# KiCad board amix 68k (r0).kicad_pcb (continued)
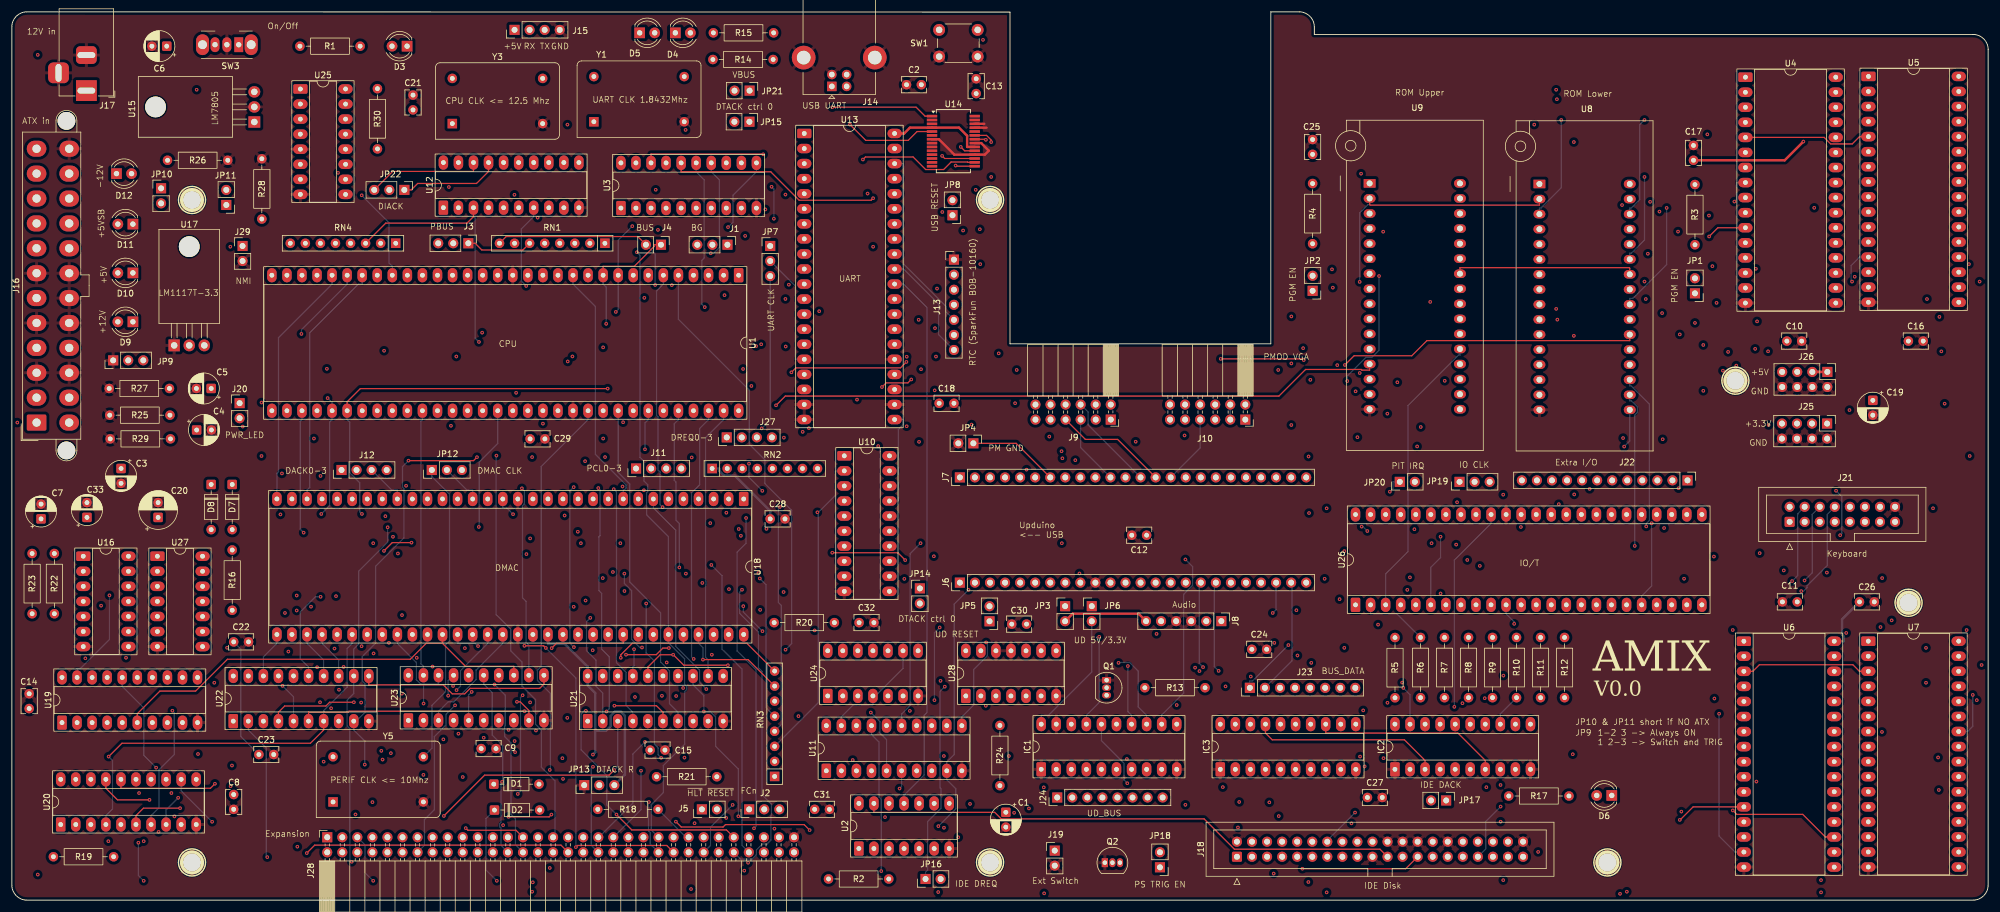
[diagram p0: board, top side]
## Routing (per net, layer and track width the routed paths; a pad name or vN(x,y) marks a point on that pad's centre or on a via; arc(x,y) is an arc through that point) (continued)
D15: length 646.7
  In1.Cu w0.2: U7.21 326.9,15.75 326.9,44.15 328.63,45.88 329.42,45.88 ; v1(228.2,22.56) 230.96,25.32 230.96,41.94 233.32,44.3 231.74,45.88 U26.3 ; U5.21 329.92,111.03 329.92,107.95 329.52,107.55 329.52,107.06 329.92,106.66 329.92,75.44 329.42,74.94 329.42,45.88 ; J18.3 207.83,8.69 207.83,19.13 206.39,20.57 IC3.2 ; v1(123.35,89.61) 123.73,89.99 123.73,112.03 v1(123.7,112.07) ; 329.42,45.88 v1(329.74,45.57) ; J28.29 90.42,12.27 90.42,21.64 v1(90.74,21.97)
  In2.Cu w0.2: v1(329.74,45.57) 327.5,47.8 316.85,47.8 316.57,47.52 232.53,47.52 231.74,48.32 U26.3 ; U1.54 97.2,84.07 102.74,89.61 v1(123.35,89.61) ; v1(228.2,22.56) 228.2,21.57 227.2,20.57 206.39,20.57 IC3.2 206.39,23.57 205.02,24.94 144.22,24.94 142.63,26.54 133.5,26.54 130.44,29.6 122.31,29.6 121.41,28.7 117.45,28.7 ; U13.8 132.17,111.56 131.66,112.07 v1(123.7,112.07) ; 117.45,28.7 116.05,27.3 106.11,27.3 100.7,21.89 90.81,21.89 v1(90.74,21.97) 31.19,21.97 31.1,21.88 U20.11 ; 117.45,28.7 U21.9
  Bottom w0.2: U1.54 97.2,81.07 89.29,73.16 89.29,39.44 88.65,38.8 88.65,37.08 90.85,34.87 90.85,22.08 v1(90.74,21.97) ; U9.21 244.28,92.72 ; 244.28,92.47 244.28,91.96 244.02,91.96 235.51,83.44 235.51,58.81 231.74,55.05 U26.3 ; 244.28,92.47 244.28,92.72 ; 244.28,92.47 244.28,92.72
DMAC_A8/D0: length 84.9
  In2.Cu w0.2: U23.3 70.07,28.42 23.2,28.42 22.6,29.02 22.6,30.54 21.69,31.45 11,31.45 U19.2
  Bottom w0.2: U23.3 71.97,31.82 73.61,33.46 74.55,33.46 78.32,37.23 78.32,38.83 82.81,43.32 U18.48
DMAC_A9/D1: length 82.4
  In1.Cu w0.2: v1(75.01,35.43) 75.01,33.96 74.16,33.11 74.16,32.17 74.51,31.82 U23.4 74.51,28.82 74.48,28.82 v1(72.79,27.13)
  In2.Cu w0.2: U19.3 13.54,28.45 14.86,27.13 v1(72.79,27.13)
  Bottom w0.2: U18.47 80.27,43.32 75.68,38.73 75.68,36.11 v1(75.01,35.43)
DMAC_A10/D2: length 86.2
  In1.Cu w0.2: U23.7 82.13,31.82 80.8,33.15 80.8,39.85 77.73,42.92 U18.46
  In2.Cu w0.2: U23.7 82.13,28.82 73.63,28.82 72.39,27.58 16.95,27.58 16.08,28.45 U19.4
DMAC_A11/D3: length 92.2
  In1.Cu w0.2: v1(78.64,42.86) 79.23,42.86 83.4,38.69 83.4,33.09 84.67,31.82 U23.8
  In2.Cu w0.2: U23.8 84.67,31.82 73.99,31.82 73.32,31.15 73.32,29.69 71.62,28 19.07,28 18.62,28.45 U19.5
  Bottom w0.2: v1(78.64,42.86) 78.18,43.32 75.19,43.32 U18.45
DMAC_A12/D4: length 74.5
  Top w0.2: U23.13 84.67,39.44 76.53,39.44 72.65,43.32 ; 72.65,43.32 U18.44 ; 72.65,43.32 69.88,43.32 67.2,40.63 36.36,40.63 31,35.27 24.98,35.27 21.16,31.45 U19.6
DMAC_A13/D5: length 83.1
  In1.Cu w0.2: v1(74.43,36.13) 74.35,36.13 73.24,37.24 73.24,40.19 70.11,43.32 U18.43
  In2.Cu w0.2: U19.7 23.7,31.45 24.64,31.45 30.22,37.03 30.22,38.43 31.52,39.72 45.02,39.72 46.36,38.38 46.36,36.96 47.19,36.13 v1(74.43,36.13) 74.68,36.13 75.95,37.4 75.95,38.8 76.59,39.44 80.05,39.44 81.03,38.46 81.03,36.84 81.17,36.98 81.67,36.98 82.02,36.63 82.02,36.5 82.08,36.44 82.13,36.44 U23.14
DMAC_A14/D6: length 66.1
  In1.Cu w0.2: U18.42 67.57,43.32 70.97,39.92 v1(70.97,39.4)
  In2.Cu w0.2: v1(73.6,34.49) 73.29,34.18 28.45,34.18 26.24,31.97 U19.8 ; v1(70.97,39.4) 71,39.44 74.51,39.44 U23.17
  Bottom w0.2: U23.17 73.6,37.03 v1(73.6,34.49)
DMAC_A15/D7: length 60.9
  In2.Cu w0.2: U19.9 28.78,31.45 29.92,32.59 53.22,32.59 53.61,32.98 55.47,32.98 55.76,32.68 68.96,32.68 v1(69.45,33.17)
  Bottom w0.2: 69.45,36.44 68.97,36.44 68.23,37.18 68.23,40.1 65.03,43.3 U18.41 ; 69.45,36.44 v1(69.45,33.17) ; 69.45,36.44 71.97,36.44 U23.18
DMAC_A16/D8: length 100.6
  In1.Cu w0.2: U20.2 10.78,14.26 12.05,15.53 12.05,29.04 12.4,29.39 v1(12.4,40.8) ; U22.3 42.43,31.7 46.31,35.58 46.31,41.6 v1(46.65,41.94)
  In2.Cu w0.2: v1(12.4,40.8) 15.49,43.88 33.03,43.88 34.97,41.94 v1(46.65,41.94) 48.03,43.32 57.9,43.32 58.85,44.26 58.85,45.68 59.49,46.32 60.41,46.32 61.05,45.68 61.05,44.28 62.01,43.32 62.49,43.32 U18.40
DMAC_A17/D9: length 75.3
  Top w0.2: v1(57.69,33.39) 53.61,33.39 52.98,32.76 46.03,32.76 44.97,31.7 U22.4
  In1.Cu w0.2: v1(57.69,33.39) 58.86,34.56 58.86,40.41 59.95,41.49 U18.39 ; U20.3 13.32,11.26 15.49,9.08 32.77,9.08 43.07,19.39 43.07,26.8 44.97,28.7 U22.4
DMAC_A18/D10: length 68.4
  Top w0.2: v1(16.32,24.22) 18.57,26.47 50.36,26.47 52.59,28.7 U22.7
  Bottom w0.2: v1(16.32,24.22) 16.98,23.56 16.98,15.38 15.86,14.26 U20.4 ; U18.38 57.41,43.32 56.56,42.46 56.56,35.92 52.59,31.96 U22.7
DMAC_A19/D11: length 80.1
  In1.Cu w0.2: U18.37 54.87,42.9 v1(54.42,42.45) 54.02,42.04 54.02,33.07 55.13,31.95 U22.8 ; U20.5 18.4,14.26 19.73,15.59 19.73,40.42 v1(19.26,40.89)
  In2.Cu w0.2: v1(54.42,42.45) 52.9,40.93 19.29,40.93 v1(19.26,40.89)
DMAC_A20/D12: length 68.1
  Top w0.2: U20.6 20.94,14.26 22.2,15.52 v1(28.38,15.52)
  In1.Cu w0.2: v1(55.19,35.5) 55.19,36.26 55.13,36.32 U22.13 ; v1(34.15,36.68) 34.15,21.29 v1(28.38,15.52)
  In2.Cu w0.2: v1(34.15,36.68) 36.79,39.32 42.89,39.32 43.53,38.68 43.53,37.26 45.3,35.5 v1(55.19,35.5)
  Bottom w0.2: U22.13 55.13,40.52 52.33,43.32 U18.36
DMAC_A21/D13: length 59.3
  In1.Cu w0.2: U22.14 52.59,33.99 v1(51.98,33.38)
  In2.Cu w0.2: v1(51.98,33.38) 28.5,33.38 v1(27.08,31.96)
  Bottom w0.2: U22.14 52.59,40.52 49.79,43.32 U18.35 ; v1(27.08,31.96) 27.4,31.64 27.4,24.56 24.8,21.97 24.8,15.58 23.48,14.26 U20.7
DMAC_A22/D14: length 55
  In1.Cu w0.2: U18.34 47.25,43.32 47.18,43.32 44.97,41.11 U22.17 ; v1(36.31,42.58) 32.87,39.15 32.87,24.15 29.83,21.11 29.83,19.04 v1(28.05,17.27)
  In2.Cu w0.2: U18.34 47.25,43.32 45.75,43.32 44.84,42.4 36.48,42.4 v1(36.31,42.58)
  Bottom w0.2: v1(28.05,17.27) 26.02,15.23 U20.8
DMAC_A23/D15: length 42.8
  In1.Cu w0.2: U22.18 42.43,36.32 41.16,35.05 41.16,26.37 39.14,24.35 39.14,17.93 37.89,16.68 30.97,16.68 28.56,14.26 U20.9
  Bottom w0.2: U18.33 44.71,43.32 42.43,41.04 U22.18
DMAC_PCL0: length 5.3
  In1.Cu w0.2: U18.8 105.67,69.18 105.3,69.55 J11.1
DMAC_PCL1: length 70.2
  In1.Cu w0.2: J11.2 108.21,72.45 U18.7 ; J28.54 117.9,9.41 117.9,12.81 117.73,12.98 117.73,22.28 118.57,23.11 118.57,34.19 v1(117.15,35.61)
  Bottom w0.2: U18.7 108.21,66.18 111.99,62.4 111.99,42.82 116.01,38.8 116.01,36.75 v1(117.15,35.61)
DMAC_PCL2: length 5.3
  In1.Cu w0.2: J11.3 110.75,72.45 U18.6
DMAC_PCL3: length 5.3
  In1.Cu w0.2: U18.5 113.29,69.18 112.92,69.55 J11.4
DV_CLK: length 21.2
  In1.Cu w0.2: J7.24 209.74,79.92 207.09,79.92 206.8,80.21 206.8,81.45 205.91,82.34 204.26,82.34 J10.6
DV_DE: length 21.4
  In1.Cu w0.2: J10.8 201.72,82.34 201.72,80.66 203.58,78.79 208.33,78.79 J7.23
E: length 142.9
  Top w0.2: J28.55 120.55,11.84 104.59,11.84 v1(101.99,14.44)
  In1.Cu w0.2: v1(94.77,69.68) 95.76,70.67 95.76,90.52 v1(94.56,91.73) ; v1(96.82,31.93) 94.81,33.95 v1(94.81,42.68) ; J3.2 74.46,107.05 74.34,106.93 U1.20 74.34,92.35 v1(74.98,91.72)
  In2.Cu w0.2: v1(74.98,91.72) 74.99,91.73 v1(94.56,91.73)
  Bottom w0.2: v1(94.77,69.68) 94.12,69.03 94.12,43.37 v1(94.81,42.68) ; v1(96.82,31.93) 96.54,31.93 96.03,31.42 96.03,25.36 100.36,21.02 100.36,16.07 v1(101.99,14.44)
FC0: length 211.2
  In1.Cu w0.2: v1(45.31,65.07) 45.31,65.58 44.71,66.18 U18.32 ; J28.57 124.32,14.11 124.38,14.17 J2.1 124.38,16.47 124.59,16.68 124.59,60.7 122.68,62.61 v1(122.62,62.61)
  In2.Cu w0.2: v1(122.62,62.61) 122.48,62.75 79.83,62.75 79.37,63.21 79.02,63.56 46.82,63.56 v1(45.31,65.07) ; U1.28 54.02,106.93 55.68,108.59 65.28,108.59 71.2,114.51 82.14,114.51 82.95,115.32 U12.5
  Bottom w0.2: U1.28 54.02,103.93 44.98,94.89 44.98,72.26 44.71,71.99 U18.32
FC1: length 211.7
  In1.Cu w0.2: J28.59 126.92,10.67 J2.2 126.23,16.01 126.23,44.92 126.02,45.13 126.02,48.77 v1(126.23,48.97) ; v1(48.85,95.53) 47.71,94.39 47.71,69.64 47.25,69.18 U18.31 47.25,52.19 v1(48.05,51.39)
  In2.Cu w0.2: U1.27 56.56,106.93 64.47,106.93 71.47,113.93 84.1,113.93 85.49,115.32 U12.6 ; v1(48.05,51.39) 49.44,51.39 50.74,50.1 95.02,50.1 96.15,48.97 v1(126.23,48.97)
  Bottom w0.2: U1.27 56.56,103.93 48.85,96.22 v1(48.85,95.53)
FC2: length 215.2
  In1.Cu w0.2: v1(54.68,51.28) 49.82,56.14 49.82,66.15 49.79,66.18 U18.30 ; J28.61 129.4,15.26 J2.3 126.63,18.15 126.63,45.37 v1(126.62,45.38)
  In2.Cu w0.2: U1.26 59.1,103.93 59.41,103.62 v1(86.76,103.62) ; v1(54.68,51.28) 100.46,51.28 102.3,49.44 123.24,49.44 v1(123.38,49.59)
  Bottom w0.2: 123.39,49.5 123.39,49.5 ; 123.39,49.5 123.39,49.5 ; 123.39,49.5 123.39,48.61 v1(126.62,45.38) ; 123.39,49.5 123.38,49.5 v1(123.38,49.59) ; U1.26 59.1,103.93 58.45,103.93 50.25,95.72 50.25,69.64 49.79,69.18 U18.30 ; U12.7 88.03,115.32 85.94,113.23 85.94,104.44 v1(86.76,103.62)
IO/~{M}: length 112.7
  In1.Cu w0.2: U11.1 129.58,29.63 128.49,29.63 127.03,31.09 127.03,44.93 127.23,45.13 127.23,49.38 126.77,49.84 126.77,62.31 126.69,62.39 126.69,66.19 129.41,68.91 129.41,79.49 124.15,84.74 124.15,94.73 124.3,94.87 124.3,119.1 120.52,122.88 U3.13
IRQ_UART: length 92.4
  Bottom w0.2: U13.30 150.41,103.94 154.36,99.99 154.36,31.65 153.9,31.19 153.9,21.11 150.61,17.82 150.5,17.82 U2.11
JBODGE_GND: length 15.3
  Top w0.2: JP4.1 169.41,77.07 J7.7
JBUS_RESET_N: length 58
  In1.Cu w0.2: v1(193.09,44.92) 195.07,42.94 195.07,24.68 193.96,23.57 IC1.9 193.96,17.48 J24.8
  In2.Cu w0.2: JP5.1 166.07,47.04 168.09,45.03 192.98,45.03 v1(193.09,44.92)
KYBD_CAPS_LED: length 48.8
  In1.Cu w0.2: v1(278.71,62.78) 277.46,61.53 U26.21
  In2.Cu w0.2: J21.12 311.44,65.21 289.17,65.21 286.74,62.78 v1(278.71,62.78)
KYBD_CODE_LED: length 51.1
  In1.Cu w0.2: v1(315.49,54.33) 316.29,55.13 316.29,65.2 J21.14
  In2.Cu w0.2: v1(315.49,54.33) 312.64,51.48 280.15,51.48 280,51.32 U26.22
KYBD_COL_0: length 76.6
  In1.Cu w0.2: J21.1 299.89,56.61 v1(298.9,55.62) ; v1(235.4,52.35) 234.37,51.32 234.28,51.32 U26.4
  In2.Cu w0.2: v1(298.9,55.62) 298.81,55.72 238.76,55.72 v1(235.4,52.35)
KYBD_COL_1: length 79.5
  In1.Cu w0.2: v1(236.59,62.57) 236.82,62.35 U26.5
  In2.Cu w0.2: v1(236.59,62.57) 236.99,62.18 300.79,62.18 J21.3
KYBD_COL_2: length 77.2
  In2.Cu w0.2: J21.5 302.47,61.32 v1(241,61.32)
  Bottom w0.2: U26.6 239.36,56.15 241,57.79 v1(241,61.32)
KYBD_COL_3: length 76.7
  In1.Cu w0.2: J21.7 307.51,56.6 v1(306.17,55.26)
  In2.Cu w0.2: v1(306.17,55.26) 305.93,55.02 298.65,55.02 298.42,55.26 245.84,55.26 241.9,51.32 U26.7
KYBD_COL_4: length 75.2
  In1.Cu w0.2: v1(245.51,57.39) 245.51,57.39 244.44,56.32 U26.8
  In2.Cu w0.2: J21.9 309.81,63.82 303.36,57.36 245.53,57.36 v1(245.51,57.39)
KYBD_COL_5: length 74.9
  In1.Cu w0.2: U26.9 246.98,55.74 v1(247.63,56.39)
  In2.Cu w0.2: J21.11 305.16,56.39 v1(247.63,56.39)
KYBD_COL_6: length 72.7
  In2.Cu w0.2: J21.13 315.13,63.37 306.38,54.62 298.49,54.62 298.45,54.66 282.5,54.66 282.33,54.83 253.03,54.83 249.52,51.32 U26.10
KYBD_COL_7: length 84.5
  In1.Cu w0.2: J21.15 317.1,63.25 v1(317.1,47.2)
  In2.Cu w0.2: v1(253.43,46.62) 253.69,46.89 316.78,46.89 v1(317.1,47.2)
  Bottom w0.2: v1(253.43,46.62) 253.43,46.95 252.06,48.32 U26.11
KYBD_ROW_A: length 49
  In2.Cu w0.2: U26.17 267.3,51.32 269.59,53.61 300.09,53.61 v1(300.3,53.83)
  Bottom w0.2: v1(300.3,53.83) 301.25,54.77 301.25,65.18 J21.4
KYBD_ROW_B: length 48.6
  In2.Cu w0.2: v1(302.4,53.93) 301.01,52.53 271.05,52.53 269.84,51.32 U26.18
  Bottom w0.2: v1(302.4,53.93) 303.7,55.22 303.7,65.09 J21.6
KYBD_ROW_C: length 48.1
  In2.Cu w0.2: U26.19 272.38,51.32 273.19,52.13 301.85,52.13 v1(301.85,52.13)
  Bottom w0.2: v1(301.85,52.13) 302.25,52.13 302.83,52.72 302.83,53.05 306.24,56.46 306.24,65.09 J21.8
KYBD_ROW_D: length 50.1
  In2.Cu w0.2: v1(276.61,63.59) 276.71,63.49 285.71,63.49 289.73,67.51 308.9,67.51 J21.10
  Bottom w0.2: v1(276.61,63.59) 276.61,53.01 274.92,51.32 U26.20
PCLK: length 295.4
  In1.Cu w0.2: J28.33 93.84,22.98 v1(92.87,23.94)
  In2.Cu w0.2: JP19.1 242.17,70.57 236.4,76.34 173.79,76.34 171.78,78.34 133.22,78.34 132.04,79.52 126.55,79.52 v1(126.48,79.59) 78.72,79.59 71.99,72.86 71.99,72.57 JP12.1 ; v1(92.87,23.94) 92.68,23.75 69.86,23.75 Y5.8
  Bottom w0.2: v1(126.48,79.59) 127.92,81.02 JP7.3 ; JP12.1 70.84,71.42 70.91,71.42 73.83,68.5 73.83,43.74 73.15,43.06 73.15,35.16 70.87,32.87 70.87,25.64 Y5.8
PMOD_GND: length 77.9
  In1.Cu w0.2: v1(161.89,80.23) 161,79.34 161,74.31 161.07,74.24 161.07,55.87 159.92,54.72 J6.1 ; J9.3 J9.4
  In2.Cu w0.2: v1(161.89,80.23) 162.25,79.87 181.63,79.87 J9.3 ; J9.4 184.01,84.79 204.35,84.79 J10.4
  Bottom w0.2: J10.3 J10.4
PS_TRIG: length 16.1
  In2.Cu w0.2: U11.14 152.63,30.94 165.21,30.94 R24.1
R/~{W}: length 367.3
  In1.Cu w0.2: v1(188.09,23.81) 192.47,28.19 193.96,28.19 IC1.12 ; v1(87.76,74.74) 87.89,74.61 U18.15 87.89,66.18 94.17,59.9 94.17,33.16 U21.1 97.13,22.54 97.76,21.91 97.76,16.21 96.38,14.83 J28.35 ; U11.2 139.93,23.32 138.92,23.32 RN3.6 ; v1(101.88,99.24) 101.11,98.47 101.11,75.79 v1(100.06,74.75) ; U26.43 239.36,60.35 v1(239.49,60.22)
  In2.Cu w0.2: v1(239.49,60.22) 236.75,57.48 v1(197.96,57.48) ; U11.2 139.93,20.32 153.12,20.32 153.9,21.1 153.9,22.51 155.08,23.69 187.97,23.69 v1(188.09,23.81) ; U3.7 117.98,115.26 116.43,113.71 v1(104.66,113.71) ; v1(87.76,74.74) 87.77,74.75 v1(100.06,74.75) 112.42,74.75 112.76,75.08 114.23,75.08 114.43,75.29 140.09,75.29 U10.1 ; RN3.6 128.54,33.44 100.37,33.44 U21.1
  Bottom w0.2: IC1.12 193.96,31.23 197.67,34.94 197.67,51.59 199.17,53.09 199.17,56.27 v1(197.96,57.48) ; v1(104.66,113.71) 102.28,111.32 U1.9 102.28,99.64 v1(101.88,99.24)
RESET: length 111.6
  In1.Cu w0.2: v1(156.96,116.09) 156.96,114.08 160.09,110.95 160.09,105.06 159.17,104.13 158.34,104.13 157.72,103.51 157.72,52.8 158.85,51.68 158.85,18.55 158.12,17.82 U2.8
  In2.Cu w0.2: U13.35 150.41,116.64 150.96,116.09 v1(156.96,116.09)
RTC_CIPO: length 31.4
  Bottom w0.2: J13.5 157.53,99.29 157.53,100.2 150.41,107.32 150.41,124.26 U13.38
RTC_CLK: length 25.3
  In1.Cu w0.2: J13.4 160.54,102.06 160.54,112.9 v1(160.46,112.97)
  In2.Cu w0.2: v1(160.46,112.97) 159.33,114.1 U13.34
RTC_COPI: length 22.4
  In1.Cu w0.2: v1(155.72,96.5) 155.72,97.12 150.41,102.42 150.41,111.56 U13.33
  In2.Cu w0.2: v1(155.72,96.5) 156.86,95.36 J13.6
RTC_SQW: length 25.3
  In1.Cu w0.2: v1(156.06,103.18) 156.06,106.87 150.41,112.52 150.41,121.72 U13.37
  In2.Cu w0.2: v1(156.06,103.18) 156.26,102.98 J13.3
RTC_SS: length 18.7
  Bottom w0.2: J13.7 156.32,95.42 156.32,100.57 150.41,106.48 U13.31
UART_CLK: length 37.8
  In1.Cu w0.2: Y1.8 118.41,133.94 123.97,133.94 127.55,130.36 127.55,120.1 127.92,119.73 JP7.1
UART_RX: length 104.8
  Top w0.2: v1(138.4,133.78) 152.53,133.78 154.04,132.27 U14.1
  In1.Cu w0.2: U13.10 135.17,106.48 138.4,109.7 v1(138.4,133.78)
  In2.Cu w0.2: J15.2 89.62,144.54 109.92,144.54 114.42,140.04 120.08,140.04 123.17,136.94 123.17,135.68 125.07,133.78 v1(138.4,133.78)
UART_TX: length 113.1
  Top w0.2: v1(141.37,130.84) 144.04,128.17 151.2,128.17 152.7,129.67 U14.5
  In1.Cu w0.2: v1(141.37,130.84) 141.37,110.14 135.17,103.94 U13.11 ; v1(93.72,130.84) 93.72,142.98 J15.3
  In2.Cu w0.2: v1(141.37,130.84) 139.71,132.5 95.38,132.5 v1(93.72,130.84)
UD_3V3: length 4.8
  In1.Cu w0.2: J6.9 180.24,52.68 182.17,50.75 JP6.1
UD_5V: length 4
  In1.Cu w0.2: JP3.1 177.67,53.54 J6.8
UD_IRQ: length 39.6
  In1.Cu w0.2: J7.6 168.81,67.51 168.81,49.39 167.27,47.85 167.27,37.22 166,35.95 U28.3
USB_D+: length 28
  Top w0.2: v1(159.2,123.93) 159.3,123.82 U14.15
  In1.Cu w0.2: v1(159.2,123.93) 156.3,123.93 140.94,139.28 J14.3
USB_D-: length 33.9
  Top w0.2: U14.16 161.24,124.47 161.18,124.53 158.44,124.53 157.17,123.26 154.14,123.26 152.03,125.38 143.99,125.38 v1(143.56,124.95)
  In1.Cu w0.2: v1(143.56,124.95) 143.56,134.54 J14.2
VGA_B0: length 55.7
  In1.Cu w0.2: v1(171.16,72.63) 171.16,82.1 J9.12
  In2.Cu w0.2: J7.22 212.08,70.14 197.57,70.14 196.63,71.08 196.63,71.86 195.86,72.63 v1(171.16,72.63)
VGA_B1: length 40.8
  In1.Cu w0.2: v1(177.22,74.54) 174.06,77.7 174.06,81.55 175.21,82.7 J9.10
  In2.Cu w0.2: v1(177.22,74.54) 177.5,74.83 202.13,74.83 J7.19
VGA_B2: length 29.9
  In1.Cu w0.2: J9.8 179.02,82.34 179.02,74.6 v1(179.39,74.23)
  In2.Cu w0.2: v1(179.39,74.23) 195.11,74.23 J7.16
VGA_B3: length 16.5
  Bottom w0.2: J7.13 181.56,80.16 181.56,82.34 J9.6
VGA_G0: length 20.8
  In1.Cu w0.2: J7.21 208.26,73.78 206.06,73.78 199.3,80.54 199.3,81.37 198.44,82.22 197.16,82.22 196.01,81.07 J10.11
VGA_G1: length 11.9
  In1.Cu w0.2: J10.9 203.1,75.88 J7.18
VGA_G2: length 11.8
  Bottom w0.2: J7.15 200.45,76.29 J10.7
VGA_G3: length 21.7
  In1.Cu w0.2: J7.12 187.86,75.63 v1(189.57,77.34)
  In2.Cu w0.2: J10.5 199.26,77.34 v1(189.57,77.34)
VGA_HS: length 20.2
  In1.Cu w0.2: J10.12 192.53,83.61 J7.9
VGA_R0: length 44.6
  In1.Cu w0.2: J9.11 172.67,78.23 176.96,73.94 177.49,73.94 177.83,74.28 177.83,74.97 v1(177.07,75.74)
  In2.Cu w0.2: v1(177.07,75.74) 203.76,75.74 J7.20
VGA_R1: length 34.1
  In1.Cu w0.2: v1(175,78.21) 175.21,78.41 J9.9 ; v1(197.82,78.39) 197.82,74.06 J7.17
  In2.Cu w0.2: v1(197.82,78.39) 175.19,78.39 v1(175,78.21)
VGA_R2: length 19.2
  Top w0.2: J7.14 186.53,77.73 181.09,77.73 J9.7
VGA_R3: length 11.8
  Bottom w0.2: J9.5 180.29,76.35 J7.11
VGA_VS: length 20.3
  In1.Cu w0.2: J7.10 182.78,71.4 193.74,82.36 196.66,82.36 J10.10
~{AS}: length 200.7
  In1.Cu w0.2: v1(120.81,113.54) 116.51,113.54 109.9,106.93 U1.6
  In2.Cu w0.2: U18.14 90.43,66.18 109.77,66.18 ; U10.4 138.92,67.34 137.91,66.33 v1(129.55,66.33) 129.38,66.17 109.78,66.17 109.77,66.18 ; 109.77,66.18 v1(109.77,66.3) ; v1(106.8,26.7) 126.88,26.7 RN3.4
  Bottom w0.2: v1(129.55,66.33) 129.31,66.09 129.31,50.21 129.78,49.73 129.78,29.6 RN3.4 ; v1(109.77,66.3) 109.35,66.71 109.35,72.22 109,72.57 109,81.51 108.75,81.76 108.75,102.78 109.9,103.93 U1.6 ; v1(106.8,26.7) 104.76,24.65 104.76,16.35 99.01,10.61 J28.37 ; v1(120.81,113.54) 121.65,114.38 121.65,118.93 125.6,122.88 U3.11
~{BERR}: length 174
  Top w0.2: RN1.8 83.39,111.95 105.58,111.95 J4.2
  In1.Cu w0.2: v1(120.22,102.06) 120.22,87.61 127.08,80.75 127.08,79.01 127.02,78.95 127.02,72.53 124.64,70.15 123.6,70.15 122.35,68.89 122.35,65.98 v1(123.85,64.47)
  In2.Cu w0.2: v1(125.19,12.12) 113.13,12.12 J28.47 ; v1(120.22,102.06) 110.24,102.06 v1(108.52,103.78) ; RN1.8 78.37,106.93 69.26,106.93 U1.22
  Bottom w0.2: J4.2 108.52,109.01 v1(108.52,103.78) ; v1(123.85,64.47) 123.85,60.21 122.35,58.7 122.35,42.03 125.54,38.83 125.54,12.46 v1(125.19,12.12)
~{BGACK}: length 74.2
  In1.Cu w0.2: U1.12 94.66,110.52 RN1.3
  In2.Cu w0.2: J1.1 119.56,110.57 119.56,110.86 118.45,111.97 96.11,111.97 RN1.3
  Bottom w0.2: U1.12 94.66,103.93 98.43,100.16 98.43,75.22 103.62,70.03 103.62,69.54 103.26,69.18 103.13,69.18 U18.9
~{BG}: length 131.4
  In1.Cu w0.2: J1.2 116.25,108.65 116.25,90 111.19,84.94 111.19,75.26 109.19,73.26 109.19,70.72 109.33,70.57 109.33,66.71 108.21,65.59 U18.58 108.21,43.32 111.09,40.44 111.09,26.02 111.31,25.81 111.31,15.38 J28.43
  In2.Cu w0.2: U1.11 97.2,106.93 114.53,106.93 J1.2
~{BR}: length 133.4
  In2.Cu w0.2: 105.44,109.41 114.47,109.41 J1.3 ; 105.44,109.41 97.5,109.41 ; 105.44,109.41 v1(105.44,109.31) ; 97.5,109.41 94.6,109.41 92.12,106.93 U1.13 ; 97.5,109.41 RN1.2
  Bottom w0.2: v1(105.44,109.31) 105.94,108.8 105.94,74.71 106.63,74.03 106.63,70.72 107.26,70.09 107.26,68.92 107.08,68.74 107.08,65 110.75,61.33 U18.59 110.75,43.32 110.88,43.32 113.49,40.71 113.49,36.38 113.84,36.04 113.84,35.54 113.49,35.2 113.49,26.3 109.9,22.71 109.9,18.15 107.86,16.11 107.86,11.83 J28.45
~{DMAC_ACK0}: length 230.7
  In1.Cu w0.2: J12.1 56.76,72.57 56.76,72.25 59.83,69.18 59.95,69.18 U18.26 59.95,63.65 v1(65.12,58.48) ; v1(235.84,54.45) 236.01,54.28 236.01,52 235.7,51.69 235.7,34.52 239.56,30.66 239.56,16.97 239.4,16.82
  In2.Cu w0.2: v1(235.84,54.45) 234.27,56.02 137.6,56.02 136.18,57.44 66.16,57.44 v1(65.12,58.48)
~{DMAC_ACK1}: length 124.8
  In1.Cu w0.2: v1(63.01,64.77) 62.49,65.29 U18.25 62.49,69.18 61.54,69.18 J12.2 ; v1(117.81,63.61) 119.81,61.61 119.81,42.41 121.58,40.63 v1(121.58,16.07)
  In2.Cu w0.2: v1(63.01,64.77) 78.38,64.77 79.58,63.57 117.77,63.57 v1(117.81,63.61)
  Bottom w0.2: J28.52 117.85,9.22 117.85,12.34 v1(121.58,16.07)
~{DMAC_ACK2}: length 7.2
  Bottom w0.2: J12.3 64.08,69.18 65.03,69.18 U18.24
~{DMAC_ACK3}: length 7.4
  In1.Cu w0.2: U18.23 67.57,69.18 66.37,69.18 63.23,72.33 J12.4
~{DMAC_BEC0}: length 81.5
  In2.Cu w0.2: U18.29 52.33,69.18 54.53,71.38 129.39,71.38 RN2.6
~{DMAC_BEC1}: length 81.5
  In2.Cu w0.2: RN2.7 131.52,70.97 56.66,70.97 54.87,69.18 U18.28
~{DMAC_BEC2}: length 81.5
  In2.Cu w0.2: RN2.8 133.66,70.57 58.8,70.57 57.41,69.18 U18.27
~{DMAC_CS}: length 98.3
  In1.Cu w0.2: v1(132.69,31.04) 132.69,44.57 127.29,49.96 v1(127.29,62.64)
  In2.Cu w0.2: v1(127.29,62.64) 124.86,65.07 123.61,65.07 122.82,64.28 85.37,64.28 v1(84.55,65.11) ; U11.16 147.55,30.94 147.45,31.04 v1(132.69,31.04)
  Bottom w0.2: v1(84.55,65.11) 83.48,66.18 82.81,66.18 U18.17
~{DMAC_IACK}: length 17
  Top w0.2: U12.17 80.41,122.94 78.38,120.91 68.45,120.91 67.36,119.82 JP22.1
~{DMAC_IRQ}: length 97.8
  In1.Cu w0.2: U18.21 72.65,69.18 72.19,69.64 72.19,73.34 70.64,74.89 70.64,85.69 60.47,95.86 60.47,107.48 RN4.4 53.95,114 53.95,128.39 54.79,129.23 U25.13
  In2.Cu w0.2: RN4.4 61.28,114.97 80.06,114.97 80.41,115.32 U12.4
~{DMAC_OWN}: length 107
  Top w0.2: 113.29,43.32 124,43.32 RN3.8 ; 113.29,43.32 104.65,43.32 102.72,41.38 v1(102.72,40.89) ; 113.29,43.32 U18.60
  In1.Cu w0.2: U23.1 66.89,34.54 68.3,35.95 v1(68.3,40.88)
  In2.Cu w0.2: v1(102.72,40.89) 68.3,40.89 v1(68.3,40.88) ; U22.1 38.87,31.72 65.49,31.72 U23.1
~{DMAC_REQ0}: length 117.1
  In1.Cu w0.2: v1(116.48,53.52) 116.48,65.52 115.83,66.18 U18.4 115.83,69.18 117.03,69.18 RN2.2 120.67,76.84 120.59,76.92 J27.1 ; v1(150.56,54.21) 150.56,49.53 157.7,42.38 157.7,36.35 v1(157.37,36.02)
  In2.Cu w0.2: v1(116.48,53.52) 149.87,53.52 v1(150.56,54.21)
  Bottom w0.2: v1(157.37,36.02) 156.58,35.23 156.58,18.93 156.73,18.79 156.73,15.51 154.48,13.26 154.48,5.07 154.13,4.72 JP16.1
~{DMAC_REQ1}: length 86.5
  In1.Cu w0.2: J28.50 115.35,6.88 122.22,6.88 122.93,7.59 122.93,8.55 122.26,9.22 121.45,9.22 120.61,10.06 120.61,12.24 121.95,13.57 121.95,14.47 122.25,14.76 122.25,60.31 118.37,64.19 U18.3 118.37,69.18 119.57,69.18 RN2.3 123.13,72.9 J27.2
~{DMAC_REQ2}: length 13.1
  In1.Cu w0.2: U18.2 120.91,69.18 122.03,69.18 125.67,72.82 ; 125.67,72.82 J27.3 ; 125.67,72.82 RN2.4
~{DMAC_REQ3}: length 12.4
  In1.Cu w0.2: U18.1 128.29,72.52 RN2.5 128.29,77.99 J27.4
~{DMAC_UAS}: length 60.3
  Top w0.2: v1(116.58,40.58) 124.2,40.58 RN3.7
  In1.Cu w0.2: RN3.7 127.56,35 127.56,33.04 128.28,32.32 129.17,32.32 138.49,23 138.49,18.72 142.61,14.6 147.54,14.6 153.04,9.1 U2.5
  Bottom w0.2: v1(116.58,40.58) 116.58,42.57 115.83,43.32 U18.61
~{DTACK}: length 293
  Top w0.2: U1.10 99.74,106.93 105,106.93 108.35,110.28 108.35,110.57 J4.1
  In1.Cu w0.2: v1(100.26,97.23) 98.33,95.3 98.33,69.46 98.05,69.18 U18.11 98.05,55.96 v1(99.68,54.33) ; JP15.2 119.08,128.52 119.08,122.38 114.17,117.47 114.17,116.03 109.86,111.72 109.5,111.72 J4.1 ; v1(109.52,24.01) 109.89,23.64 109.89,16.21 R18.2 ; v1(241,51.73) 241.9,52.63 U26.42
  In2.Cu w0.2: v1(99.68,54.33) 103.91,50.1 107,50.1 ; 107,50.1 v1(107,50.04) ; 107,50.1 107.1,50.19 153.03,50.19 JP14.2 154.85,51.73 v1(241,51.73)
  Bottom w0.2: v1(109.52,24.01) 109.02,24.51 109.02,25.69 108.39,26.32 108.39,40.3 107,41.69 v1(107,50.04) ; v1(100.26,97.23) 100.26,103.41 99.74,103.93 U1.10 ; R18.2 113.71,10.61 J28.49
~{DTC}: length 62.2
  In1.Cu w0.2: v1(101.39,55.36) 100.59,56.16 U18.10
  In2.Cu w0.2: v1(101.39,55.36) 102.48,54.27 v1(126.17,54.27)
  Bottom w0.2: v1(126.17,54.27) 127.23,53.21 127.23,32.47 RN3.5
~{FPGA_CS}: length 71.9
  In2.Cu w0.2: v1(186.68,40.03) 150.87,40.03 150.33,40.57 U24.9
  Bottom w0.2: IC1.13 191.42,31.19 189.99,32.62 189.99,38.65 188.54,40.1 186.75,40.1 v1(186.68,40.03) ; U11.19 139.93,30.94 141.94,32.95 145.25,32.95 U24.4 145.64,34.84 146.07,34.84 ; 145.25,34.02 146.07,34.84 ; 146.07,34.84 150.33,39.1 U24.9
~{FPGA_R}: length 64.6
  In1.Cu w0.2: v1(204.73,36.06) 204.73,32.85 206.39,31.19 IC3.19
  In2.Cu w0.2: U24.6 150.33,35.95 152.33,37.95 202.84,37.95 v1(204.73,36.06)
~{FPGA_W}: length 92.4
  In2.Cu w0.2: v1(234.72,35.8) 233.8,35.8 228.93,40.67 199.64,40.67 199.54,40.76 ; 199.54,40.76 199.35,40.57 ; 199.54,40.76 199.35,40.57 ; 199.35,40.57 199.28,40.63 186.43,40.63 186.37,40.57 152.87,40.57 U24.8
  Bottom w0.2: v1(234.72,35.8) 235.85,34.68 IC2.19
~{HALT}: length 195.5
  In1.Cu w0.2: D3.1 66.67,142.87 70.71,138.83 70.71,124.52 72.29,122.94 73.26,122.94 74.06,123.73 74.06,125.14 74.88,125.96 75.83,125.96 76.43,125.36 76.43,114.2 81.96,108.67 U1.17 81.96,103.93 78.19,100.16 78.19,75.43 77.85,75.09 77.85,69.76 79,68.61 79,66.98 83.1,62.88 86.47,62.88 89.22,60.14 89.22,40.53 90.85,38.89 90.85,27.99 88.92,26.05 D1.2 ; J5.1 116.39,14.17 116.7,13.86 J28.51